# Altium PCB CryptUS_RevB_ASM.PcbDoc (part 2 of 3)
Units mil, origin at the board's own origin, x right, y up, seen from the top; angles counter-clockwise.
Board outline 3937.01 x 3937.01 mil, 8 copper layers (Top Layer, GND 1, Signal 1, GND 2, Signal 2, PWR, GND 3, Bottom Layer), stack 59.978 mil thick; 196 components, 53 nets, 984 pads, 1003 vias.
Unrouted connection lines stored in the file: 186.
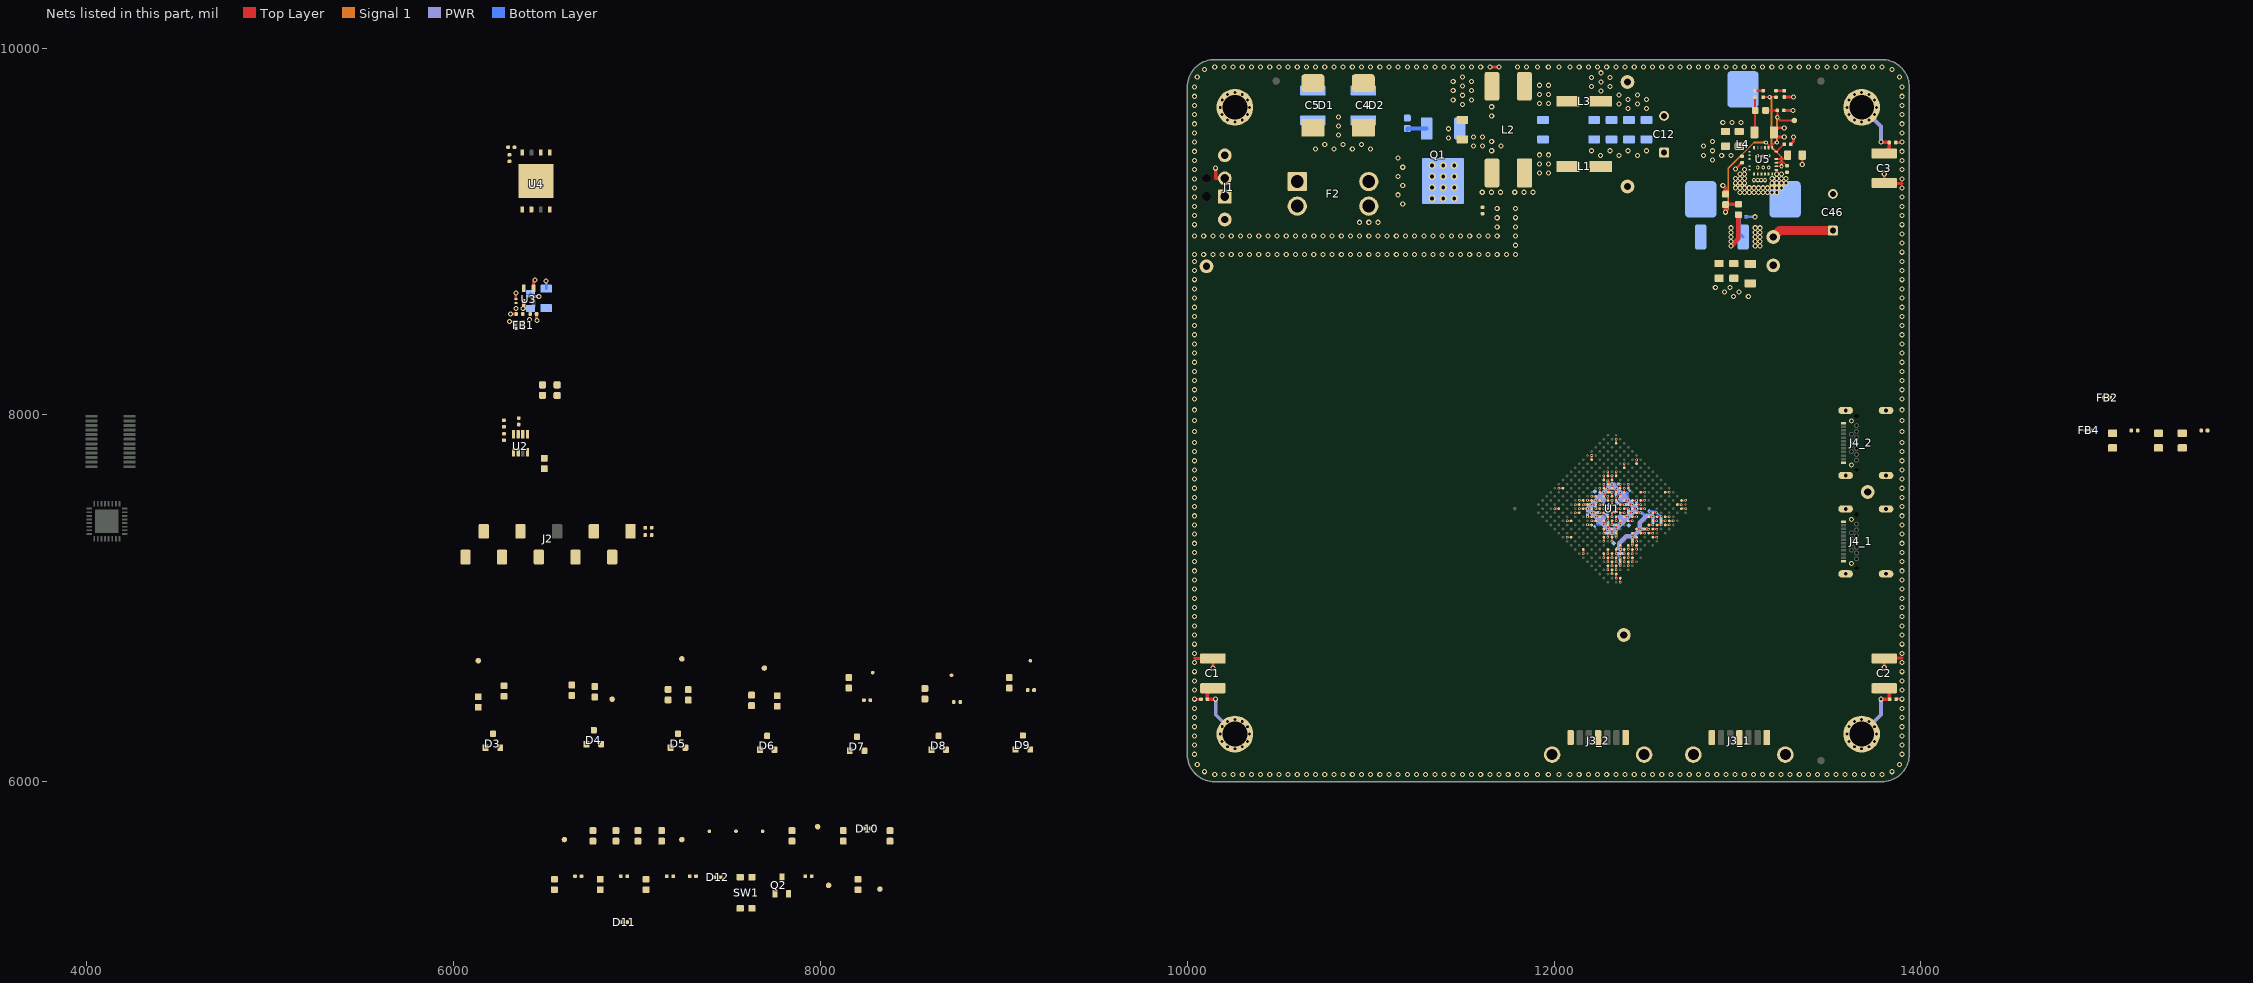
[diagram p8: the nets of this part, all layers, seen from the top]

## Part data
C1 C2 C3 C4 C5 C6 C7 C8 C9 C10 C11 C13 C14 C15 C16 C17 C18 C19 C20 C21 C22 C23 C24 C25 C26 C27 C28 C29 C30 C31 C32 C33 C34 C35 C36 C37 C38 C39 C40 C41 C42 C43 C44 C45 C47 C48 C49 C50 C51 C54 C55 C56 C57 C58 C59 C60 C61 C62 C63 C64 C65 C66 C67 C68 C69 C70 C71 C72 C73 C74 C75 C76 C77 C78 C79 C80 C81 C82 C83 C84 C85: library part CAP_CER, "Generic SMT Ceramic Capacitor"
C12 C46: library part CAP_100ZLH100MEFC10X20, "CAP 100uF 20% 100V T/H"
D1 D2: library part DIODE_5.0SMDJ22CA, "TVS Diode 24.4V"
D3 D4 D5 D6 D7 D8 D9: library part DIODE_BAV99, "DIODE ARRAY GP 75V 300MA SOT23-3"
D10 D11 D12: library part DIODE_LED, "Generic LED"
F1: library part FUSE_0297010.WXNV, "FUSE AUTO 10A 32V BLADE MINI"
F2: library part FUSE_HOLDER_3568, "FUSE HOLDER BLADE"
FB1 FB2 FB4: library part IND_MPZ1005S900HT000, "90 Ohms @ 100 MHz 1 Power Line Ferrite Bead 0402 (1005 Metric) 2.3A 38mOhm"
J1: library part TERM_BLOCK-2
J2: library part CONN_SSM-110-L-SV, "CONN RCPT 10POS 0.1 GOLD SMD"
J3_1 J3_2: library part CONN_5607-4200-SH, "7 Position SATA Plug Connector Solder Surface Mount, Right Angle"
J4_1 J4_2: library part CONN_UJ31-CH-G2-SMT-TR, "Type C, USB 3.1 Gen 2, 5 A, Right Angle, Surface Mount _SMT_, USB Receptacle"
L1 L3: library part IND_744314150, "FIXED IND 1.5UH 13A 4.3 MOHM SMD"
L2: library part IND_PLT10HH501100PNL, "2 Line Common Mode Choke Surface Mount 500 Ohms @ 10MHz 10A DCR 4.1mOhm"
L4: library part IND_B82559B0203A016, "20uH Shielded 10A Inductor"
MT1 MT2 MT3 MT4: library part MOUNTING_HOLE
Q1: library part TRANS_FQD11P06TM, "MOSFET P-CH 60V 9.4A DPAK"
Q2: library part TRANS_DMN6140L-7, "N-Channel 60 V 1.6A (Ta) 700mW (Ta) Surface Mount SOT-23"
R1 R2 R3 R4 R5 R6 R7 R8 R9 R10 R11 R12 R13 R14 R15 R16 R17 R18 R19 R20 R21 R22 R23 R24 R25 R26 R27 R28 R29 R30 R31 R32 R33 R34 R35 R36 R37 R38 R39 R40 R41: library part RESISTOR, "Resistor"
SW1: library part SW_KMR621NG_LFS, "Tactile Switch SPST-NO Top Actuated Surface Mount"
TP1 TP2 TP3 TP4 TP5 TP6 TP7 TP8 TP9 TP10 TP11 TP12 TP13 TP14 TP15 TP16 TP17 TP18 TP19 TP20 TP21 TP22 TP23 TP24 TP25: library part TESTPOINT, "Test Point"
U1: library part IC_LFE5UM-45F-8BG381C, "IC FPGA 203 I/O 381CABGA"
U2: library part IC_MAX6372KA-T, "Watchdog Push-Pull, Totem Pole 1 Channel SOT-23-8"
U3: library part IC_TG2520SMN_50.0000M-MCGNNM3, "50 MHz TCXO Clipped Sine Wave Oscillator 2.8V ~ 3.3V - 4-SMD, No Lead"
U4: library part IC_S25FS512SAGNFI010, "FLASH - NOR Memory IC 512Mb (64M x 8) SPI - Quad I/O, QPI 133 MHz 8-WSON (6x8)"
U5: library part IC_AOZ2255LQI-31, "Buck Switching Regulator IC Positive Adjustable 0.6V 1 Output 12A 22-PowerVFQFN"
U6: library part IC_MAX11643EEGT, "8 Bit Analog to Digital Converter 16 Input 1 SAR 24-QSOP"
U7: library part IC_AD9235BCPZRL7-40, "Parallel 12 Bit ADC 40MSPS 1 Input Diff"

## Via types
v1: diameter 28, hole 16, Top Layer to Bottom Layer, 543 vias
v2: diameter 13.78, hole 7.87, Top Layer to Bottom Layer, tented both sides, 377 vias
v3: diameter 20, hole 16, Top Layer to Bottom Layer, 48 vias
v4: diameter 40, hole 20, Top Layer to Bottom Layer, 12 vias
v5: diameter 24, hole 12, Top Layer to Bottom Layer, 9 vias
v6: diameter 28, hole 16, Top Layer to Bottom Layer, tented top, 8 vias
v7: diameter 20, hole 10, Top Layer to Bottom Layer, 6 vias

## Nets (pads, with @x,y where several pads share a name; then routed paths per layer and width w, separated by ;. In a path a pad name is that pad's centre, name@x,y a point inside that pad or via, vN(x,y) a via of type N, cw(c..) or ccw(c..) an arc to the next point about the centre after c; other vN are vias at no path point)
+1V2_FPGA: C49.1 C50.1 C51.1 C54.1 C55.1 C56.1 C57.1 C58.1 C59.1 C60.1 C61.1 C62.1 C63.1 C64.1 C65.1 C66.1 C67.1 C68.1 C69.1 C70.1 C71.1 C72.1 C73.1 C74.1 C75.1 C76.1 C77.1 C78.1 C79.1 C80.1 C81.1 C82.1 C83.1 C84.1 C85.1 FB2.2 FB4.2 U1.H8 U1.H9 U1.H10 U1.H11 U1.H12 U1.H13 U1.J8 U1.J13 U1.K8 U1.K13 U1.L8 U1.L13 U1.M8 U1.M13 U1.N8 U1.N9 U1.N10 U1.N11 U1.N12 U1.N13 U1.T6 U1.T7 U1.T10 U1.T11 U1.T14 U1.T15 U1.U6 U1.U15 | length 3205.6
  Top Layer w10: v2(12182.29,7489.07) U1.H8@12204.56,7489.07 ; v2(12204.56,7466.8) U1.J8@12226.83,7466.8 ; v2(12204.56,7511.34) U1.H9@12226.83,7511.34 ; v2(12226.83,7444.52) U1.K8@12249.1,7444.52 ; v2(12226.83,7533.61) U1.H10@12249.1,7533.61 ; v2(12271.37,7399.98) U1.L8@12271.37,7422.25 ; U1.H11@12271.37,7555.88 v2(12271.37,7578.15) ; v2(12293.64,7377.71) U1.M8@12293.64,7399.98 ; U1.H12@12293.64,7578.15 v2(12293.64,7600.42) ; v2(12315.92,7355.44) U1.N8@12315.92,7377.71 ; U1.H13@12315.92,7600.42 v2(12315.92,7622.69) ; v2(12338.19,7244.08) U1.T6@12338.19,7266.36 ; v2(12338.19,7377.71) U1.N9@12338.19,7399.98 ; U1.J13@12338.19,7578.15 v2(12338.19,7600.42) ; v2(12360.46,7221.81) U1.U6@12360.46,7244.08 ; v2(12360.46,7266.36) U1.T7@12360.46,7288.63 ; v2(12360.46,7399.98) U1.N10@12360.46,7422.25 ; U1.K13@12360.46,7555.88 v2(12360.46,7578.15) ; U1.N11@12382.73,7444.52 v2(12405,7444.52) ; U1.L13@12382.73,7533.61 v2(12405,7533.61) ; U1.N12@12405,7466.8 v2(12427.27,7466.8) ; U1.M13@12405,7511.34 v2(12427.27,7511.34) ; v2(12427.27,7333.17) U1.T10@12427.27,7355.44 ; U1.N13@12427.27,7489.07 v2(12449.54,7489.07) ; U1.T11@12449.54,7377.71 v2(12471.81,7377.71) ; U1.T14@12516.36,7444.52 v2(12538.63,7444.52) ; U1.T15@12538.63,7466.8 v2(12560.9,7466.8) ; U1.U15@12560.9,7444.52 v2(12583.17,7444.52)
  PWR w25: v2@12232.97,7444.52 ccw(c12249.1,7466.8) 12265.23,7444.52 ; v2@12232.97,7533.61 cw(c12249.1,7511.34) 12265.23,7533.61 ; v2@12271.37,7406.12 cw(c12293.64,7422.25) 12271.37,7438.39 ; 12271.37,7539.75 cw(c12293.64,7555.88) v2@12271.37,7572.01 ; v2@12299.78,7377.71 ccw(c12315.92,7399.98) v2@12332.05,7377.71 ; v2@12299.78,7600.42 cw(c12315.92,7578.15) v2@12332.05,7600.42 ; v2(12360.46,7266.36) 12355.23,7271.58 12355.23,7300.02 12377.5,7322.29 12393.61,7338.4 12422.04,7338.4 v2(12427.27,7333.17) v2(12471.81,7377.71) 12466.58,7382.94 12466.58,7411.37 12471.81,7416.6 12504.96,7449.75 12533.4,7449.75 v2(12538.63,7444.52) ; v2@12360.46,7406.12 ccw(c12338.19,7422.25) 12360.46,7438.39 ; 12360.46,7539.75 ccw(c12338.19,7555.88) v2@12360.46,7572.01 ; 12366.6,7444.52 ccw(c12382.73,7466.8) v2@12398.86,7444.52 ; 12366.6,7533.61 cw(c12382.73,7511.34) v2@12398.86,7533.61 ; v2@12427.27,7472.93 ccw(c12405,7489.07) v2@12427.27,7505.2 ; v2(12204.56,7466.8) 12204.56,7472.93 cw(c12226.83,7489.07) 12204.56,7505.2 v2(12204.56,7511.34) ; v2(12204.56,7466.8) v2(12226.83,7444.52) v2(12271.37,7399.98) v2(12293.64,7377.71) v2(12315.92,7355.44) v2(12338.19,7377.71) v2(12360.46,7399.98) v2(12449.54,7489.07) v2(12427.27,7511.34) v2(12405,7533.61) v2(12360.46,7578.15) v2(12338.19,7600.42) v2(12315.92,7622.69) v2(12204.56,7511.34) ; v2(12204.56,7466.8) v2(12182.29,7489.07) v2(12204.56,7511.34)
  Bottom Layer w10: v2(12338.19,7244.08) v2(12360.46,7221.81) ; C54.1@12519.75,7474.75 12552.94,7474.75 v2(12560.9,7466.8) v2(12583.17,7444.52)
  Bottom Layer w14: v2(12271.37,7578.15) v2(12293.64,7600.42)
  Bottom Layer w15: v2(12226.83,7533.61) v2(12204.56,7511.34) v2(12182.29,7489.07) v2(12204.56,7466.8) v2(12226.83,7444.52) 12237.78,7433.58 C76.1@12237.78,7407.78 12263.58,7407.78 v2(12271.37,7399.98) v2(12293.64,7377.71) v2(12315.92,7355.44) v2(12338.19,7377.71) v2(12360.46,7399.98) ; v2(12293.64,7600.42) v2(12315.92,7622.69) v2(12338.19,7600.42) v2(12360.46,7578.15) 12366.39,7572.22 C80.1@12397.22,7572.22 12397.22,7541.39 v2(12405,7533.61) v2(12427.27,7511.34) v2(12449.54,7489.07) v2(12405,7444.52)
  Bottom Layer w20: C63.1@12226.83,7522.34 v2(12226.83,7533.61) ; v2@12226.83,7537.08 C59.1@12247.37,7557.63 ; C76.1@12237.78,7407.78 C74.1@12262.63,7432.63 ; C58.1@12272.63,7532.37 C59.1@12247.37,7557.63 12267.9,7578.15 v2(12271.37,7578.15) C62.1@12282.64,7578.15 ; C71.1@12349.19,7399.98 v2(12360.46,7399.98) v2(12405,7444.52) C70.1@12405,7455.8 ; C66.1@12357.37,7447.63 C67.1@12382.63,7422.37 ; C78.1@12370,7545 C80.1@12397.22,7572.22
+1V2_FPGA_IN: C47.1 C48.1 FB2.1 FB4.1
+3V3_FPGA: C13.1 C14.1 C28.1 C29.1 C30.1 C31.1 C32.1 D3.1 D4.1 D5.1 D6.1 D7.1 D8.1 D9.1 FB1.1 J2.1 R5.1 R6.1 R7.1 R8.1 R13.1 R14.1 R15.1 R16.1 R17.1 R18.1 R19.1 R20.1 R21.1 R22.1 R26.1 R27.1 R28.1 R29.1 U2.8 U4.8
+5V: C42.1 C43.1 C44.1 C45.1 C46.1 R35.2 R38.1 TP25.1 | length 645.2
  Top Layer w25: v1(12965,8920) 13005,8960 R38.1@13005,9091.46
  Top Layer w50: TP25.1@13195,8970 13230,9005 C46.1@13520,9005
  Bottom Layer w16: C42.1@13012.5,9080 13012.5,8988.5 R35.2@13031,8970
  other v1: 13097,8920 13122,8920 12965,8945 13097,8945 13122,8945 12965,8970 13097,8970 13122,8970 12965,8995 13097,8995 13122,8995 12965,9020 13097,9020 13122,9020
+5V_ENABLE_5: R40.2 R41.1 TP24.1 U5.1 | length 384.4
  Top Layer w10: U5.1@13189.21,9456.85 13189.21,9469.21 13205,9485 v5(13215,9485)
  Top Layer w12: R40.2@13153.54,9660 R41.1@13217.5,9660 v5(13217.5,9622.5) 13235,9605 TP24.1@13310,9605
  Signal 1 w10: v5(13215,9485) 13215,9620 v5(13217.5,9622.5)
+5V_FB_5: R38.2 R39.1 U5.2 | length 654.8
  Top Layer w10: v5(13155,9485) 13169.53,9470.47 U5.2@13169.53,9456.85
  Top Layer w20: v1(12935,9105) R39.1@12935,9146.46 ; R39.1@12945,9148.54 R38.2@13005,9148.54 R38.2@13015,9148.54
  Signal 1 w10: v1(12935,9105) 12950,9120 12950,9345 13090,9485 v5(13155,9485)
+5V_I_5: L4.2 R35.1
+5V_LX_5: C33.1 L4.1 U5.10 U5.11 U5.16 U5.17 U5.18
  other v1: 13014.21,9213.15 13039.21,9213.15 13064.21,9213.15 13089.21,9213.15 13114.21,9213.15 13139.21,9213.15 13164.21,9213.15 13189.21,9213.15 13214.21,9213.15 12989.21,9238.15 13014.21,9238.15 13039.21,9238.15 13064.21,9238.15 13089.21,9238.15 13114.21,9238.15 13139.21,9238.15 13164.21,9238.15 13189.21,9238.15 13214.21,9238.15 13239.21,9238.15 12989.21,9263.15 13014.21,9263.15 13039.21,9263.15 13189.21,9263.15 13214.21,9263.15 13239.21,9263.15 13264.21,9263.15 12989.21,9288.15 13014.21,9288.15 13039.21,9288.15 13189.21,9288.15 13214.21,9288.15 13239.21,9288.15 13264.21,9288.15 13014.21,9313.15 13039.21,9313.15 13214.21,9313.15 13239.21,9313.15 13039.21,9338.15
  other v7: 13110,9349 13140,9349 13170,9349
+24V: C8.1 C9.1 C10.1 C11.1 C12.1 C38.1 C39.1 C40.1 C41.1 L1.2 R36.1 R40.1 TP7.1 U5.6 U5.7 U5.8 U5.9 | length 203.7
  Top Layer w12: C38.1@13092,9530 13095,9533 13095,9660 R36.1@13095,9732.5
  other v1: 12864,9390 12254,9415 12354,9415 12454,9415 12814,9415 12914,9415 12964,9415 12204,9440 12304,9440 12404,9440 12504,9440 12864,9440 12814,9465 12864,9490
  other v7: 13110,9413 13140,9413 13170,9413
+24V_COMM_5: C6.1 L2.2 Q1.2 R34.1
  other v1: 11608.58,9213.78 11658.58,9213.78 11708.58,9213.78 11660,9440 11560,9465 11610,9465 11710,9465 11660,9490 11425,9510 11560,9515 11610,9515 11425,9560
+24V_DIFF_5: C7.1 L1.1 L2.1
  other v1: 11785.75,9213.78 11835.75,9213.78 11885.75,9213.78 11920,9318 11970,9318 11920,9368 11970,9368 11920,9418 11970,9418
+24V_IN: F2.1 F2.2 J1.1 TP6.1
+24V_PROT_5: C4.1 C5.1 D1.1 D2.1 F2.3 F2.4 Q1.3
  other v1: 10940,9050 10990,9050 11040,9050 11175,9150 11150,9200 11175,9250 11150,9300 11175,9350 11150,9400 10700,9450 10800,9450 10900,9450 11000,9450 10750,9475 10850,9475 10950,9475 10825,9525 10825,9575 10825,9625
  other v4: 11335,9180 11395,9180 11455,9180 11335,9240 11395,9240 11455,9240 11335,9300 11395,9300 11455,9300 11335,9360 11395,9360 11455,9360
DONE_9: C15.1 D7.3 J2.9 Q2.1 R13.2 TP13.1 U1.Y3 | length 22.3
  Top Layer w10: v2(12360.46,7088.19) U1.Y3@12360.46,7110.46
FLASH_CS: C22.1 R26.2 TP23.1 U4.1
FLASH_MISO: TP20.1 U4.2
FLASH_MOSI: TP21.1 U4.5
FLASH_SCLK: TP22.1 U1.U3 U4.6 | length 22.3
  Top Layer w10: v2(12293.64,7155) U1.U3@12293.64,7177.27
FPGA_CFG0_9: C18.1 R19.2 R23.1 TP17.1 U1.U4 | length 22.3
  Top Layer w10: v2(12315.92,7177.27) U1.U4@12315.92,7199.54
FPGA_CFG1_9: C19.1 R20.2 R24.1 TP18.1 U1.T4 | length 22.3
  Top Layer w10: v2(12293.64,7199.54) U1.T4@12293.64,7221.81
FPGA_CFG2_9: C20.1 R21.2 R25.1 TP19.1 U1.R4 | length 22.3
  Top Layer w10: v2(12271.37,7221.81) U1.R4@12271.37,7244.08
FPGA_CLK: U3.3
GND: C1.2 C2.2 C3.2 C8.2 C9.2 C10.2 C11.2 C12.2 C13.2 C14.2 C15.2 C16.2 C17.2 C18.2 C19.2 C20.2 C21.2 C22.2 C23.2 C24.2 C25.2 C26.2 C27.2 C28.2 C29.2 C30.2 C31.2 C32.2 C35.2 C36.2 C37.2 C38.2 C39.2 C40.2 C41.2 C42.2 C43.2 C44.2 C45.2 C46.2 C47.2 C48.2 C49.2 C50.2 C51.2 C54.2 C55.2 C56.2 C57.2 C58.2 C59.2 C60.2 C61.2 C62.2 C63.2 C64.2 C65.2 C66.2 C67.2 C68.2 C69.2 C70.2 C71.2 C72.2 C73.2 C74.2 C75.2 C76.2 C77.2 C78.2 C79.2 C80.2 C81.2 C82.2 C83.2 C84.2 C85.2 D3.2 D4.2 D5.2 D6.2 D7.2 D8.2 D9.2 J2.7 J3_1.1 J3_1.4 J3_1.7 J3_1.8 J3_1.9 J3_2.1 J3_2.4 J3_2.7 J3_2.8 J3_2.9 J4_1.A1 J4_1.A12 J4_1.B1 J4_1.B12 J4_1.SH1 J4_1.SH2 J4_1.SH3 J4_1.SH4 J4_2.A1 J4_2.A12 J4_2.B1 J4_2.B12 J4_2.SH1 J4_2.SH2 J4_2.SH3 J4_2.SH4 L3.1 L4.3 Q2.2 R1.2 R2.2 R3.2 R9.2 R10.2 R11.2 R12.2 R23.2 R24.2 R25.2 R31.2 R32.2 R33.2 R39.2 R41.2 SW1.2 SW1.3 TP1.1 TP2.1 TP3.1 TP4.1 TP5.1 U1.B7 U1.B14 U1.C19 U1.D4 U1.F7 U1.F8 U1.F13 U1.F14 U1.G4 U1.G6 U1.G7 U1.G8 U1.G9 U1.G10 U1.G11 U1.G12 U1.G13 U1.G14 U1.G15 U1.G17 U1.H19 U1.J2 U1.J7 U1.J9 U1.J10 U1.J11 U1.J12 U1.J14 U1.K6 U1.K7 U1.K9 U1.K10 U1.K11 U1.K12 U1.K14 U1.K15 U1.L9 U1.L10 U1.L11 U1.L12 U1.M2 U1.M7 U1.M9 U1.M10 U1.M11 U1.M12 U1.M14 U1.M16 U1.N6 U1.N7 U1.N14 U1.N15 U1.P7 U1.P8 U1.P11 U1.P12 U1.P13 U1.P14 U1.R19 U1.U7 U1.U8 U1.U9 U1.U10 U1.U11 U1.U12 U1.U13 U1.U14 U1.V5 U1.V6 U1.V7 U1.V8 U1.V9 U1.V12 U1.V13 U1.V14 U1.V15 U1.V16 U1.V19 U1.V20 U1.W6 U1.W7 U1.W12 U1.W15 U1.W16 U1.W19 U2.2 U3.2 U4.4 U4.9 U5.3 U5.12 U5.13 U5.14 U5.15 | length 3246
  Top Layer w10: v2(12004.12,7489.07) U1.D4@12026.39,7489.07 ; v2(12026.39,7600.42) U1.B7@12048.66,7600.42 ; v2(12070.93,7333.17) U1.J2@12093.2,7333.17 ; v2(12070.93,7422.25) U1.G4@12093.2,7422.25 ; v2(12115.48,7466.8) U1.G6@12137.75,7466.8 ; v2(12115.48,7511.34) U1.F7@12137.75,7511.34 ; v2(12137.75,7489.07) U1.G7@12160.02,7489.07 ; v2(12137.75,7533.61) U1.F8@12160.02,7533.61 ; v2(12160.02,7244.08) U1.M2@12160.02,7266.36 ; v2(12160.02,7511.34) U1.G8@12182.29,7511.34 ; v2(12182.29,7399.98) U1.K6@12204.56,7399.98 ; v2(12182.29,7444.52) U1.J7@12204.56,7444.52 ; v2(12182.29,7533.61) U1.G9@12204.56,7533.61 ; v2(12204.56,7422.25) U1.K7@12226.83,7422.25 ; v2(12204.56,7555.88) U1.G10@12226.83,7555.88 ; U1.B14@12204.56,7756.32 v2(12204.56,7778.59) ; v2(12226.83,7489.07) U1.J9@12249.1,7489.07 ; v2(12249.1,7466.8) U1.K9@12271.37,7466.8 ; v2(12249.1,7511.34) U1.J10@12271.37,7511.34 ; U1.G11@12249.1,7578.15 v2(12249.1,7600.42) ; v2(12271.37,7310.9) U1.N6@12271.37,7333.17 ; v2(12271.37,7355.44) U1.M7@12271.37,7377.71 ; v2(12271.37,7489.07) U1.K10@12293.64,7489.07 ; U1.G12@12271.37,7600.42 v2(12271.37,7622.69) ; U1.F13@12271.37,7644.96 v2(12271.37,7667.23) ; v2(12293.64,7333.17) U1.N7@12293.64,7355.44 ; v2(12293.64,7422.25) U1.L9@12293.64,7444.52 ; U1.J11@12293.64,7533.61 v2(12293.64,7555.88) ; U1.G13@12293.64,7622.69 v2(12293.64,7644.96) ; U1.F14@12293.64,7667.23 v2(12293.64,7689.51) ; v2(12315.92,7310.9) U1.P7@12315.92,7333.17 ; v2(12315.92,7399.98) U1.M9@12315.92,7422.25 ; v2(12315.92,7444.52) U1.L10@12315.92,7466.8 ; U1.K11@12315.92,7511.34 v2(12315.92,7533.61) ; U1.J12@12315.92,7555.88 v2(12315.92,7578.15) ; U1.G14@12315.92,7644.96 v2(12315.92,7667.23) ; v2(12338.19,7333.17) U1.P8@12338.19,7355.44 ; v2(12338.19,7422.25) U1.M10@12338.19,7444.52 ; U1.L11@12338.19,7489.07 v2(12360.46,7489.07) ; U1.K12@12338.19,7533.61 v2(12338.19,7555.88) ; U1.G15@12338.19,7667.23 v2(12338.19,7689.51) ; U1.C19@12338.19,7845.4 v2(12338.19,7867.67) ; v2(12360.46,7177.27) U1.V5@12360.46,7199.54 ; U1.M11@12360.46,7466.8 v2(12382.73,7466.8) ; U1.L12@12360.46,7511.34 v2(12382.73,7511.34) ; U1.J14@12360.46,7600.42 v2(12360.46,7622.69) ; v2(12382.73,7199.54) U1.V6@12382.73,7221.81 ; v2(12382.73,7244.08) U1.U7@12382.73,7266.36 ; U1.M12@12382.73,7489.07 v2(12405,7489.07) ; U1.K14@12382.73,7578.15 v2(12382.73,7600.42) ; U1.G17@12382.73,7711.78 v2(12382.73,7734.05) ; v2(12405,7177.27) U1.W6@12405,7199.54 ; v2(12405,7221.81) U1.V7@12405,7244.08 ; v2(12405,7266.36) U1.U8@12405,7288.63 ; U1.P11@12405,7422.25 v2(12427.27,7422.25) ; U1.K15@12405,7600.42 v2(12405,7622.69) ; v2(12427.27,7199.54) U1.W7@12427.27,7221.81 ; v2(12427.27,7244.08) U1.V8@12427.27,7266.36 ; v2(12427.27,7288.63) U1.U9@12427.27,7310.9 ; U1.P12@12427.27,7444.52 v2(12449.54,7444.52) ; U1.M14@12427.27,7533.61 v2(12449.54,7533.61) ; v2(12449.54,7266.36) U1.V9@12449.54,7288.63 ; v2(12449.54,7310.9) U1.U10@12449.54,7333.17 ; U1.P13@12449.54,7466.8 v2(12471.81,7466.8) ; U1.N14@12449.54,7511.34 v2(12471.81,7511.34) ; U1.H19@12449.54,7734.05 v2(12449.54,7756.32) ; U1.U11@12471.81,7355.44 v2(12494.08,7355.44) ; U1.P14@12471.81,7489.07 v2(12494.08,7489.07) ; U1.N15@12471.81,7533.61 v2(12494.08,7533.61) ; U1.M16@12471.81,7578.15 v2(12494.08,7578.15) ; U1.U12@12494.08,7377.71 v2(12516.36,7377.71) ; U1.V12@12516.36,7355.44 v2(12538.63,7355.44) ; U1.U13@12516.36,7399.98 v2(12538.63,7399.98) ; U1.W12@12538.63,7333.17 v2(12560.9,7333.17) ; U1.V13@12538.63,7377.71 v2(12560.9,7377.71) ; U1.U14@12538.63,7422.25 v2(12560.9,7422.25) ; U1.V14@12560.9,7399.98 v2(12583.17,7399.98) ; U1.V15@12583.17,7422.25 v2(12605.44,7422.25) ; U1.W15@12605.44,7399.98 v2(12627.71,7399.98) ; U1.V16@12605.44,7444.52 v2(12627.71,7444.52) ; U1.R19@12605.44,7578.15 v2(12627.71,7578.15) ; U1.W16@12627.71,7422.25 v2(12649.98,7422.25) ; U1.V19@12672.25,7511.34 v2(12694.52,7511.34) ; U1.W19@12694.52,7489.07 v2(12716.8,7489.07) ; U1.V20@12694.52,7533.61 v2(12716.8,7533.61)
  Top Layer w15: v1(6305,8510) 6307.5,8507.5 C28.2@6340,8507.5 ; v1(6310,8550) C26.2@6342.82,8550 ; C27.2@6340,8632 v1(6340,8665) ; U3.2@6436.57,8690 6436.57,8726.57 v1(6445,8735) ; C25.2@6452.82,8550 6452.82,8517.18 v1(6455,8515) ; v1(10040,6450) R1.2@10075,6450 ; 10040,6675 10043,6672 C1.2@10140,6672 v1(10140,6620) ; v1(12989.64,9339.64) C41.2@13025,9375 ; R41.2@13252.5,9660 v1(13302.5,9660) ; v1(13255,9515) 13223,9515 C38.2@13198,9540 13223,9565 v1(13255,9565) ; C36.2@13255,9732.7 v1(13305,9732.7) ; C37.2@13290.5,9476 13305,9490.5 v1(13305,9515) ; v1(13353,9366) C35.2@13353,9416 ; v1(13800,6622) C2.2@13800,6672 ; C2.2@13800,6674 13897,6674 ; C3.2@13800,9262 13897,9262 ; C3.2@13800,9264 v1(13800,9314) ; R2.2@13865,6452 v1@13900,6452 ; R3.2@13865,9484 v1@13900,9484
  Top Layer w20: v1(12920,9250) 12935,9235 R39.2@12935,9203.54
  Bottom Layer w15: C24.2@6420,8660 6435,8645 v1(6465,8645) ; C23.2@6505,8688 v1(6505,8730) ; C69.2@12460.54,7466.8 v2(12471.81,7466.8) 12478.2,7466.8 C54.2@12495,7450 ; C42.2@13047.5,9080 v1(13095,9080)
  other v1: 10150,6040 10200,6040 10250,6040 10300,6040 10350,6040 10400,6040 10450,6040 10500,6040 10550,6040 10600,6040 10650,6040 10700,6040 10750,6040 10800,6040 10850,6040 10900,6040 10950,6040 11000,6040 11050,6040 11100,6040 11150,6040 11200,6040 11250,6040 11300,6040 11350,6040 11400,6040 11450,6040 11500,6040 11550,6040 11600,6040 11650,6040 11700,6040 11750,6040 11800,6040 11850,6040 11909.25,6040 11968.5,6040 12027.76,6040 12087.01,6040 12137.01,6040 12187.01,6040 12237.01,6040 12287.01,6040 12337.01,6040 12387.01,6040 12437.01,6040 12487.01,6040 12537.01,6040 12587.01,6040 12637.01,6040 12687.01,6040 12737.01,6040 12787.01,6040 12837.01,6040 12887.01,6040 12937.01,6040 12987.01,6040 13037.01,6040 13087.01,6040 13137.01,6040 13187.01,6040 13237.01,6040 13287.01,6040 13337.01,6040 13387.01,6040 13437.01,6040 13487.01,6040 13537.01,6040 13587.01,6040 13637.01,6040 13687.01,6040 13737.01,6040 13787.01,6040 10095,6054.74 13842.01,6054.74 10054.74,6095 13882.27,6095 10040,6150 13897.01,6150 10040,6200 13897.01,6200 10040,6250 13897.01,6250 10040,6300 13897.01,6300 10040,6350 13897.01,6350 10040,6400 13897.01,6400 13897.01,6450 10040,6500 13897.01,6500 10040,6550 13897.01,6550 10040,6600 13897.01,6600 10040,6650 13897.01,6650 10040,6700 13897.01,6700 10040,6750 13897.01,6750 10040,6800 13897.01,6800 10040,6850 13897.01,6850 10040,6900 13897.01,6900 10040,6950 13897.01,6950 10040,7000 13897.01,7000 10040,7050 13897.01,7050 10040,7100 13897.01,7100 10040,7150 13897.01,7150 10040,7200 13897.01,7200 10040,7250 13897.01,7250 10040,7300 13897.01,7300 10040,7350 13897.01,7350 10040,7400 13897.01,7400 10040,7450 13897.01,7450 10040,7500 13897.01,7500 10040,7550 13897.01,7550 10040,7600 13897.01,7600 10040,7650 13897.01,7650 10040,7700 13897.01,7700 10040,7750 13897.01,7750 10040,7800 13897.01,7800 10040,7850 13897.01,7850 10040,7909.25 13897.01,7909.25 10040,7968.5 13897.01,7968.5 10040,8027.76 13897.01,8027.76 10040,8087.01 13897.01,8087.01 10040,8137.01 13897.01,8137.01 10040,8187.01 13897.01,8187.01 10040,8237.01 13897.01,8237.01 10040,8287.01 13897.01,8287.01 10040,8337.01 13897.01,8337.01 10040,8387.01 13897.01,8387.01 10040,8437.01 13897.01,8437.01 10040,8487.01 13897.01,8487.01 10040,8537.01 13897.01,8537.01 10040,8587.01 13897.01,8587.01 10040,8637.01 13897.01,8637.01 12979,8645 13059,8645 12929,8670 13009,8670 10040,8687.01 13897.01,8687.01 12879,8695 12959,8695 10040,8737.01 13897.01,8737.01 10040,8787.01 13897.01,8787.01 10040,8837.01 13897.01,8837.01 10040,8875 10090,8875 10140,8875 10190,8875 10240,8875 10290,8875 10340,8875 10390,8875 10440,8875 10490,8875 10540,8875 10590,8875 10640,8875 10690,8875 10740,8874.99 10790,8874.99 10840,8874.99 10890,8874.99 10940,8874.99 10990,8874.99 11040,8874.99 11090,8874.99 11140,8874.99 11190,8874.99 11240,8874.99 11290,8874.99 11340,8874.99 11390,8874.99 11440,8874.99 11490,8874.99 11540,8874.99 11590,8874.99 11640,8874.99 11690,8874.99 11740,8874.99 11790,8874.99 13897.01,8887.01 11790,8924.99 13897.01,8937.01 11790,8974.99 13897.01,8987.01 11790,9025 13897.01,9037.01 11790,9075 13897.01,9087.01 11790,9125 13897.01,9137.01 13897.01,9187.01 13897.01,9237.01 13897.01,9287.01 13897.01,9337.01 13897.01,9387.01 13897.01,9437.01 13897.01,9487.01 13897.01,9537.01 13897.01,9587.01 12920,9595 12970,9595 13020,9595 13897.01,9637.01 12404,9669.99 12504,9669.99 13897.01,9687.01 12354,9694.99 12454,9694.99 12404,9719.99 12504,9719.99 13897.01,9737.01 12354,9744.99 12454,9744.99 12255,9765 13897.01,9787.01 12205,9790 12305,9790 12255,9815 12205,9840 12305,9840 13882.27,9842.01 12255,9865 13842.01,9882.27 11800,9897.01 11850,9897.01 11909.25,9897.01 11968.5,9897.01 12027.76,9897.01 12087.01,9897.01 12137.01,9897.01 12187.01,9897.01 12237.01,9897.01 12287.01,9897.01 12337.01,9897.01 12387.01,9897.01 12437.01,9897.01 12487.01,9897.01 12537.01,9897.01 12587.01,9897.01 12637.01,9897.01 12687.01,9897.01 12737.01,9897.01 12787.01,9897.01 12837.01,9897.01 12887.01,9897.01 12937.01,9897.01 12987.01,9897.01 13037.01,9897.01 13087.01,9897.01 13137.01,9897.01 13187.01,9897.01 13237.01,9897.01 13287.01,9897.01 13337.01,9897.01 13387.01,9897.01 13437.01,9897.01 13487.01,9897.01 13537.01,9897.01 13587.01,9897.01 13637.01,9897.01 13687.01,9897.01 13737.01,9897.01 13787.01,9897.01
  other v5: 13090,9280 13110,9280 13130,9280 13150,9280
HEARTBEAT: D10.2 U2.1
INITN_9: C17.1 D9.3 J2.10 R15.2 TP15.1 U1.V3 | length 22.3
  Top Layer w10: v2(12315.92,7132.73) U1.V3@12315.92,7155
NetC1_1: C1.1 MT2.1 R1.1 | length 350.9
  Top Layer w20: C1.1@10140,6510 10110,6480 R1.1@10110,6450 v1(10155,6450)
  PWR w20: v1(10155,6450) 10155,6365 MT2.1@10260,6260
  other v3: 10260,6180 10220,6190.72 10300,6190.72 10190.72,6220 10329.28,6220 10180,6260 10340,6260 10190.97,6300.11 10329.28,6300 10220,6329.28 10300,6329.28 10260,6340
NetC2_1: C2.1 MT3.1 R2.1 | length 350.9
  Top Layer w20: v1(13782.01,6450) 13827.01,6450 13827.01,6480 C2.1@13797.01,6510
  PWR w20: MT3.1@13677.01,6260 13782.01,6365 v1(13782.01,6450)
  other v3: 13677.01,6180 13637.01,6190.72 13717.01,6190.72 13607.73,6220 13746.29,6220 13597.01,6260 13757.01,6260 13607.98,6300.11 13746.29,6300 13637.01,6329.28 13717.01,6329.28 13677.01,6340
NetC3_1: C3.1 MT4.1 R3.1 | length 350.9
  Top Layer w20: v1(13782.01,9487.01) 13827.01,9487.01 13827.01,9457.01 C3.1@13797.01,9427.01
  PWR w20: MT4.1@13677.01,9677.01 13782.01,9572.01 v1(13782.01,9487.01)
  other v3: 13677.01,9597.01 13637.01,9607.73 13717.01,9607.73 13607.73,9637.01 13746.29,9637.01 13597.01,9677.01 13757.01,9677.01 13607.98,9717.12 13746.29,9717.01 13637.01,9746.29 13717.01,9746.29 13677.01,9757.01
NetC7_2: C7.2 L2.4 L3.2
  other v1: 11920,9697 11970,9697 11920,9747 11970,9747 11920,9797 11970,9797
NetC33_2: C33.2 U5.20 | length 67.8
  Top Layer w10: U5.20@13211.85,9375.16 U5.20@13211.85,9375.16 13227.71,9375.24 13230.47,9378 13249.53,9378 C33.2@13265,9362.53 ; C33.2@13265,9362.5 C33.2@13270,9357.5
NetC34_1: C34.1 R37.2 U5.19 | length 502.8
  Top Layer w10: U5.19@13211.85,9355.47 13239.53,9355.47 v5(13240,9355)
  Top Layer w12: R37.2@13140,9732.5 v5(13175,9732.5) C34.1@13210,9732.5
  Signal 1 w10: v5(13175,9732.5) 13185,9722.5 13185,9461.06 13240,9406.06 v5(13240,9355)
NetC34_2: C34.2 C36.1 | length 45.1
  Top Layer w12: C34.2@13210,9767.5 13254.8,9767.5 C36.1@13255,9767.7
NetC35_1: C35.1 U5.21 | length 69.9
  Top Layer w10: U5.21@13211.85,9394.84 13251.84,9394.84 C35.1@13273,9416
NetC37_1: C37.1 U5.22 | length 61
  Top Layer w10: U5.22@13211.85,9434.21 13253.64,9476 C37.1@13255.5,9476
NetD10_1: D10.1 R16.2
NetD11_1: D11.1 R17.2
NetD11_2: D11.2 Q2.3
NetD12_1: D12.1 R22.2
NetQ1_1: Q1.1 R4.1 | length 115.2
  Bottom Layer w20: R4.1@11200,9551.46 R4.1@11200,9561.46 11304.54,9561.46 Q1.1@11305,9561
NetR30_1: R30.1 U2.7
NetR36_2: R36.2 R37.1 | length 45
  Top Layer w12: R36.2@13095,9767.5 R37.1@13140,9767.5
OSC_VCC_9: C23.1 C24.1 C25.1 C26.1 C27.1 FB1.2 U3.4
  other v1: 6415,8520 6340,8580 6380,8580
PGND: C4.2 C5.2 C6.2 D1.2 D2.2 J1.2 L2.3 MT1.1 R4.2 R34.2 TP8.1 | length 155
  Top Layer w15: v1(11650,9897.01) v1(11700,9897.01)
  Top Layer w20: v1(10155,9345) 10155,9290 J1.2@10205,9290
  other v1: 10040,8975 10090,8975 10140,8975 10190,8975 10240,8975 10290,8975 10340,8975 10390,8975 10440,8975 10490,8975 10540,8975 10590,8975 10640,8975 10690,8974.99 10740,8974.99 10790,8974.99 10840,8974.99 10890,8974.99 10940,8974.99 10990,8974.99 11040,8974.99 11090,8974.99 11140,8974.99 11190,8974.99 11240,8974.99 11290,8974.99 11340,8974.99 11390,8974.99 11440,8974.99 11490,8974.99 11540,8974.99 11590,8974.99 11640,8974.99 11690,8974.99 11690,9024.99 11690,9074.99 11690,9124.99 10040,9437.01 10040,9487.01 10040,9537.01 10040,9587.01 11660,9630 10040,9637.01 11660,9680 10040,9687.01 11500.2,9692.64 11450.2,9717.64 11550.2,9717.64 10040,9737.01 11500.2,9742.64 11450.2,9767.64 11550.2,9767.64 10040,9787.01 11500.2,9792.64 11450.2,9817.64 11550.2,9817.64 10054.74,9842.01 11500.2,9842.64 10095,9882.27 10150,9897.01 10200,9897.01 10250,9897.01 10300,9897.01 10350,9897.01 10400,9897.01 10450,9897.01 10500,9897.01 10550,9897.01 10600,9897.01 10650,9897.01 10700,9897.01 10750,9897.01 10800,9897.01 10850,9897.01 10900,9897.01 10950,9897.01 11000,9897.01 11050,9897.01 11100,9897.01 11150,9897.01 11200,9897.01 11250,9897.01 11300,9897.01 11350,9897.01 11400,9897.01 11450,9897.01 11500,9897.01 11550,9897.01 11600,9897.01
  other v3: 10260,9597.01 10220,9607.73 10300,9607.73 10190.72,9637.01 10329.28,9637.01 10180,9677.01 10340,9677.01 10190.97,9717.12 10329.28,9717.01 10220,9746.29 10300,9746.29 10260,9757.01
  other v6: 10040,9037.01 10040,9087.01 10040,9137.01 10040,9187.01 10040,9237.01 10040,9287.01 10040,9337.01 10040,9387.01
PROGRAMN_9: C16.1 D8.3 J2.4 R14.2 TP14.1 U1.W3 | length 22.3
  Top Layer w10: v2(12338.19,7110.46) U1.W3@12338.19,7132.73
RESET: C21.1 R18.2 R30.2 SW1.1 SW1.4 TP16.1
STATUS: D12.2
TCK_9: D3.3 J2.8 R5.2 R9.1 TP9.1 U1.T5 | length 22.3
  Top Layer w10: v2(12315.92,7221.81) U1.T5@12315.92,7244.08
TDI_9: D4.3 J2.3 R6.2 R10.1 TP10.1 U1.R5 | length 22.3
  Top Layer w10: v2(12293.64,7244.08) U1.R5@12293.64,7266.36
TDO_9: D5.3 J2.2 R7.2 R11.1 TP11.1 U1.V4 | length 22.3
  Top Layer w10: v2(12338.19,7155) U1.V4@12338.19,7177.27
TMS_9: D6.3 J2.6 R8.2 R12.1 TP12.1 U1.U5 | length 22.3
  Top Layer w10: v2(12338.19,7199.54) U1.U5@12338.19,7221.81
WD_SET0_9: R29.2 R33.1 U2.4
WD_SET1_9: R28.2 R32.1 U2.5
WD_SET2_9: R27.2 R31.1 U2.6
pads on no net: C1. C2. C3. C4. C5. C12. C46. D1. D2. D3. D4. D5. D6. D7. D8. D9. D10. D11. D12. F2. FB1. FB2. FB4. FD1.1 FD2.1 FD3.1 FD4.1 FD5.1 FD6.1 J1. J2. J2.5 J3_1. J3_1.2 J3_1.3 J3_1.5 J3_1.6 J3_2. J3_2.2 J3_2.3 J3_2.5 J3_2.6 J4_1. J4_1.A2 J4_1.A3 J4_1.A4 J4_1.A5 J4_1.A6 J4_1.A7 J4_1.A8 J4_1.A9 J4_1.A10 J4_1.A11 J4_1.B2 J4_1.B3 J4_1.B4 J4_1.B5 J4_1.B6 J4_1.B7 J4_1.B8 J4_1.B9 J4_1.B10 J4_1.B11 J4_2. J4_2.A2 J4_2.A3 J4_2.A4 J4_2.A5 J4_2.A6 J4_2.A7 J4_2.A8 J4_2.A9 J4_2.A10 J4_2.A11 J4_2.B2 J4_2.B3 J4_2.B4 J4_2.B5 J4_2.B6 J4_2.B7 J4_2.B8 J4_2.B9 J4_2.B10 J4_2.B11 L1. L2. L3. L4. Q1. Q2. SW1. U1.1 U1.A2 U1.A3 U1.A4 U1.A5 U1.A6 U1.A7 U1.A8 U1.A9 U1.A10 U1.A11 U1.A12 U1.A13 U1.A14 U1.A15 U1.A16 U1.A17 U1.A18 U1.A19 U1.B1 U1.B2 U1.B3 U1.B4 U1.B5 U1.B6 U1.B8 U1.B9 U1.B10 U1.B11 U1.B12 U1.B13 U1.B15 U1.B16 U1.B17 U1.B18 U1.B19 U1.B20 U1.C1 U1.C2 U1.C3 U1.C4 U1.C5 U1.C6 U1.C7 U1.C8 U1.C9 U1.C10 U1.C11 U1.C12 U1.C13 U1.C14 U1.C15 U1.C16 U1.C17 U1.C18 U1.C20 U1.D1 U1.D2 U1.D3 U1.D5 U1.D6 U1.D7 U1.D8 U1.D9 U1.D10 U1.D11 U1.D12 U1.D13 U1.D14 U1.D15 U1.D16 U1.D17 U1.D18 U1.D19 U1.D20 U1.E1 U1.E2 U1.E3 U1.E4 U1.E5 U1.E6 U1.E7 U1.E8 U1.E9 U1.E10 U1.E11 U1.E12 U1.E13 U1.E14 U1.E15 U1.E16 U1.E17 U1.E18 U1.E19 U1.E20 U1.F1 U1.F2 U1.F3 U1.F4 U1.F5 U1.F6 U1.F9 U1.F10 U1.F11 U1.F12 U1.F15 U1.F16 U1.F17 U1.F18 U1.F19 U1.F20 U1.G1 U1.G2 U1.G3 U1.G5 U1.G16 U1.G18 U1.G19 U1.G20 U1.H1 U1.H2 U1.H3 U1.H4 U1.H5 U1.H6 U1.H7 U1.H14 U1.H15 U1.H16 U1.H17 U1.H18 U1.H20 U1.J1 U1.J3 U1.J4 U1.J5 U1.J6 U1.J15 U1.J16 U1.J17 U1.J18 U1.J19 U1.J20 U1.K1 U1.K2 U1.K3 U1.K4 U1.K5 U1.K16 U1.K17 U1.K18 U1.K19 U1.K20 U1.L1 U1.L2 U1.L3 U1.L4 U1.L5 U1.L6 U1.L7 U1.L14 U1.L15 U1.L16 U1.L17 U1.L18 U1.L19 U1.L20 U1.M1 U1.M3 U1.M4 U1.M5 U1.M6 U1.M15 U1.M17 U1.M18 U1.M19 U1.M20 U1.N1 U1.N2 U1.N3 U1.N4 U1.N5 U1.N16 U1.N17 U1.N18 U1.N19 U1.N20 U1.P1 U1.P2 U1.P3 U1.P4 U1.P5 U1.P6 U1.P9 U1.P10 U1.P15 U1.P16 U1.P17 U1.P18 U1.P19 U1.P20 U1.R1 U1.R2 U1.R3 U1.R16 U1.R17 U1.R18 U1.R20 U1.T1 U1.T2 U1.T3 U1.T8 U1.T9 U1.T12 U1.T13 U1.T16 U1.T17 U1.T18 U1.T19 U1.T20 U1.U1 U1.U2 U1.U16 U1.U17 U1.U18 U1.U19 U1.U20 U1.V1 U1.V2 U1.V10 U1.V11 U1.V17 U1.V18 U1.W1 U1.W2 U1.W4 U1.W5 U1.W8 U1.W9 U1.W10 U1.W11 U1.W13 U1.W14 U1.W17 U1.W18 U1.W20 U1.Y2 U1.Y5 U1.Y6 U1.Y7 U1.Y8 U1.Y11 U1.Y12 U1.Y14 U1.Y15 U1.Y16 U1.Y17 U1.Y19 U2. U2.3 U3. U3.1 U4. U4.3 U4.7 U5. U5.4 U5.5 U6. U6.1 U6.2 U6.3 U6.4 U6.5 U6.6 U6.7 U6.8 U6.9 U6.10 U6.11 U6.12 U6.13 U6.14 U6.15 U6.16 U6.17 U6.18 U6.19 U6.20 U6.21 U6.22 U6.23 U6.24 U7. U7.1 U7.2 U7.3 U7.4 U7.5 U7.6 U7.7 U7.8 U7.9 U7.10 U7.11 U7.12 U7.13 U7.14 U7.15 U7.16 U7.17 U7.18 U7.19 U7.20 U7.21 U7.22 U7.23 U7.24 U7.25 U7.26 U7.27 U7.28 U7.29 U7.30 U7.31 U7.32 U7.33